# Altium PCB PCB_Core.PcbDoc (part 1 of 2) (continued)
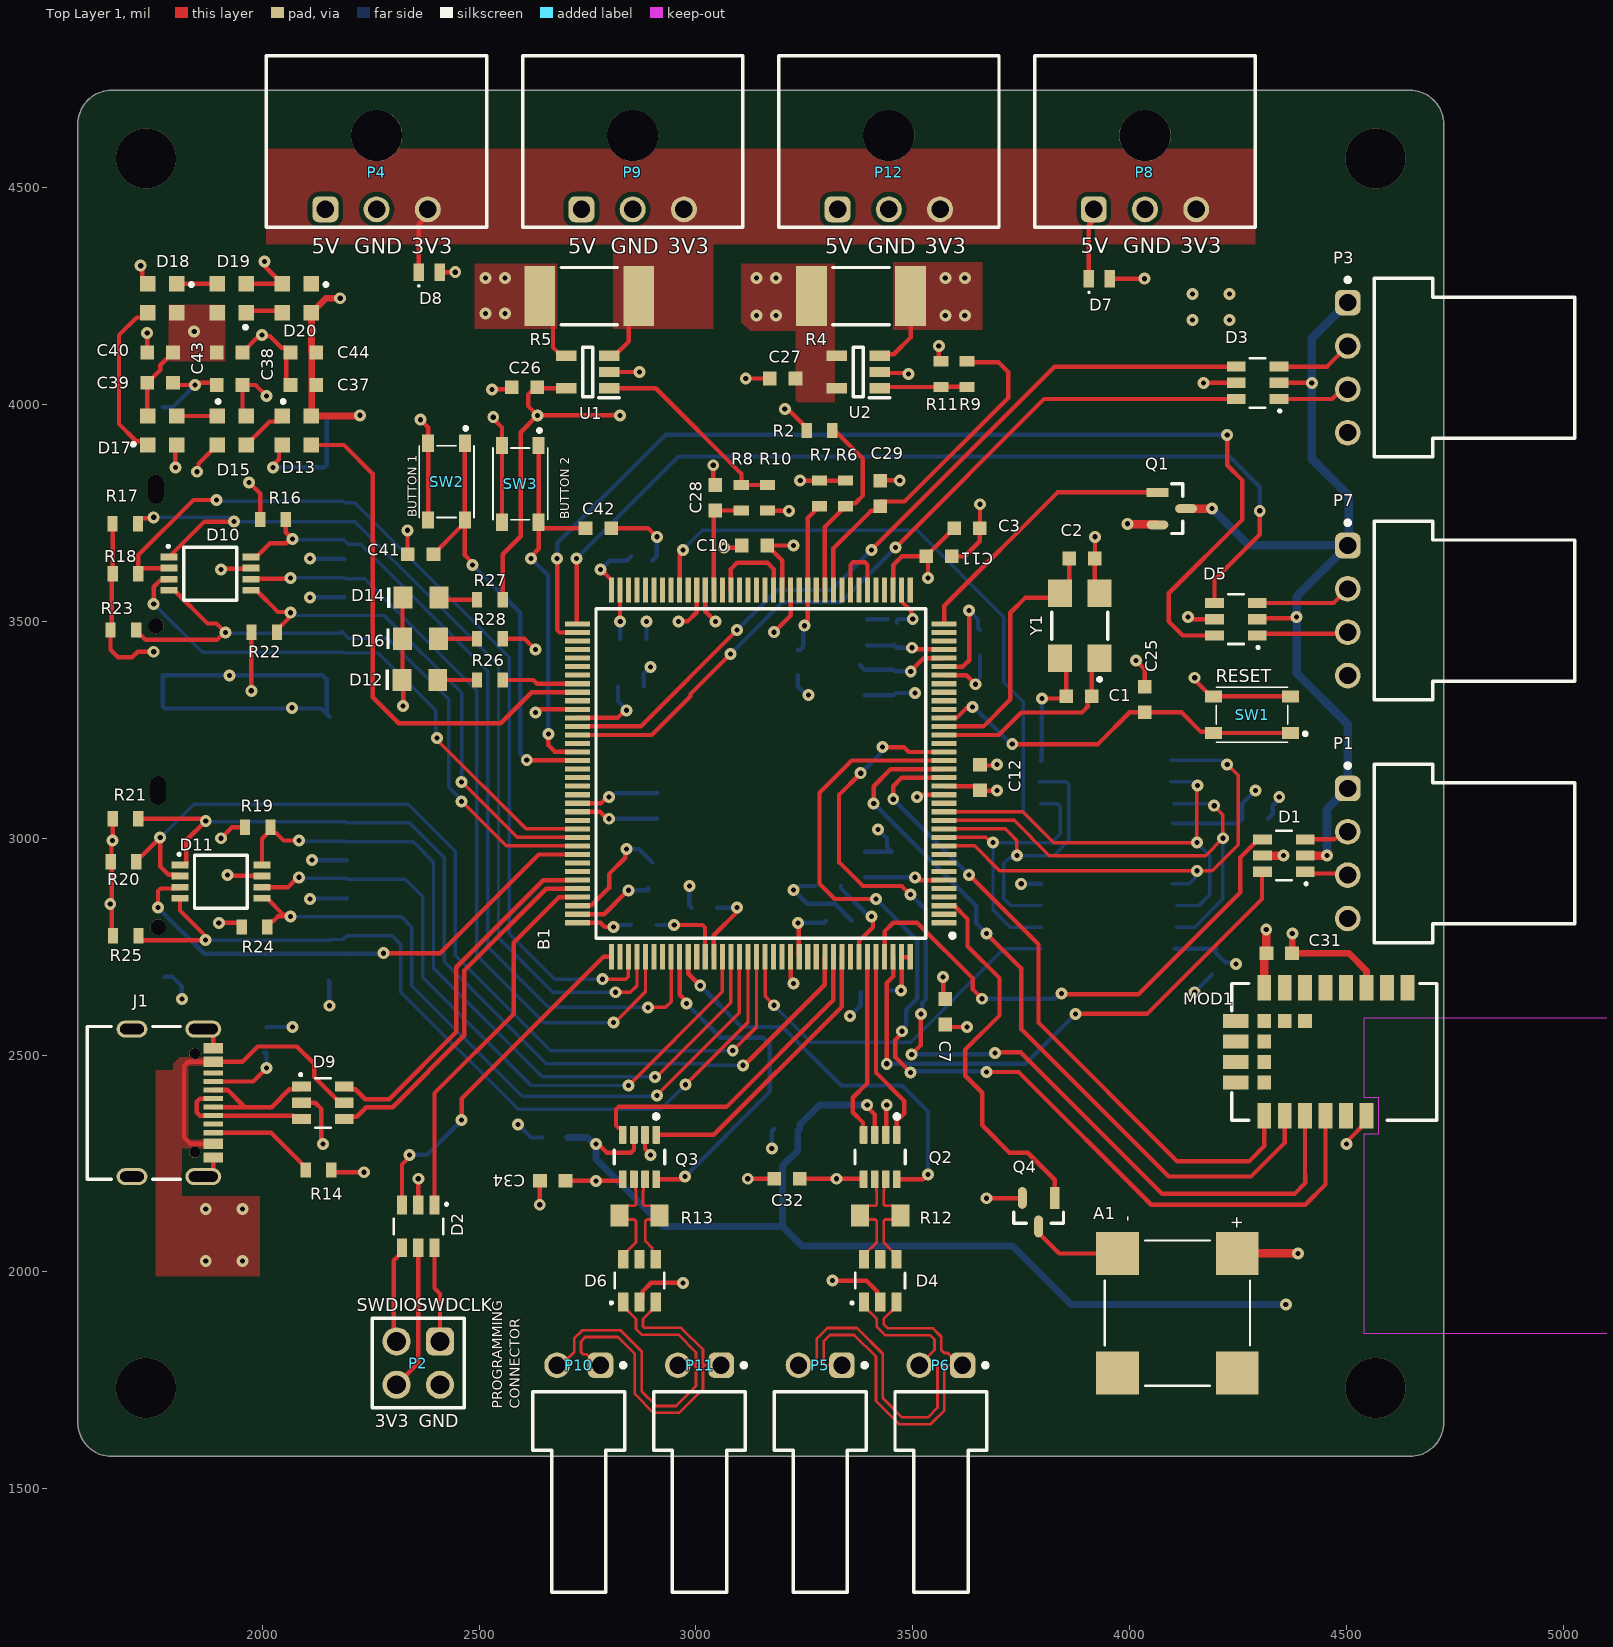
[diagram p0: Top Layer 1 view]
## Design rules (kind name [scope] priority, off if disabled: settings) (continued)
FabricationTestPointUsage [All] p1: isadvanced=TRUE valid=0 allowmultiple=FALSE
FabricationTestpoint [All] p1: isadvanced=TRUE side=3 testpointundercomponent=TRUE minsize=40 maxsize=100 preferedsize=60 minholesize=0 maxholesize=40 preferedholesize=32 testpointgrid=1 allowsidetop=TRUE allowsidebottom=TRUE usegrid=TRUE gridtolerance=0.01
FanoutControl Fanout_BGA [IsBGA] p1: isadvanced=TRUE bgadir=Out bgaviamode=Centered fanoutstyle=Auto fanoutdirection=Alternating viagrid=1 // Fanout_BGA (Default Rule)
FanoutControl Fanout_LCC [IsLCC] p2: isadvanced=TRUE bgadir=Out bgaviamode=Centered fanoutstyle=Auto fanoutdirection=Alternating viagrid=1 // Fanout_LCC (Default Rule)
FanoutControl Fanout_SOIC [IsSOIC] p3: isadvanced=TRUE bgadir=Out bgaviamode=Centered fanoutstyle=Auto fanoutdirection=Alternating viagrid=1 // Fanout_SOIC (Default Rule)
FanoutControl Fanout_Small [(CompPinCount < 5)] p4: isadvanced=TRUE bgadir=Out bgaviamode=Centered fanoutstyle=Auto fanoutdirection=OutThenIn viagrid=1 // Fanout_Small (Default Rule)
FanoutControl Fanout_Default [All] p5: isadvanced=TRUE bgadir=Out bgaviamode=Centered fanoutstyle=Auto fanoutdirection=Alternating viagrid=1 // Fanout_Default (Default Rule)
Height [All] p1: isadvanced=TRUE minheight=0 maxheight=1000 prefheight=500
HoleSize [All] p1: isadvanced=TRUE absolutevalues=TRUE maxlimit=157.48 minlimit=1 maxpercent=80.000 minpercent=20.000
HoleToHoleClearance [All] p1: isadvanced=TRUE gap=10 allowstackedmicrovias=TRUE
LayerPairs [All] p1: isadvanced=TRUE enforce=TRUE
MinimumSolderMaskSliver [All] p1: isadvanced=TRUE minsoldermaskwidth=10
NetAntennae [All] p1: isadvanced=TRUE netantennaetolerance=0
PasteMaskExpansion [All] p1: isadvanced=TRUE expansion=0
PlaneClearance [All] p1: isadvanced=TRUE clearance=20
PlaneConnect [All] p1: isadvanced=TRUE planeconnectstyle=Relief reliefexpansion=20 reliefentries=4 reliefconductorwidth=10 reliefairgap=10
PolygonConnect PolygonConnect_2 [All vs IsNamedPolygon('3V3_CURRENT-_L01_P002')] p1: isadvanced=TRUE thpad.connectstyle=Direct thpad.reliefconductorwidth=10 thpad.reliefentries=4 thpad.polygonreliefangle="90 Angle" thpad.airgapwidth=10 smdpad.connectstyle=Relief smdpad.reliefconductorwidth=10 smdpad.reliefentries=4 smdpad.polygonreliefangle="90 Angle" smdpad.airgapwidth=10 via.connectstyle=Relief via.reliefconductorwidth=10 via.reliefentries=4 via.polygonreliefangle="90 Angle" via.airgapwidth=10
PolygonConnect PolygonConnect_1 [All vs IsNamedPolygon('3V3_CURRENT-_L01_P002')] p2: isadvanced=TRUE connectstyle=Relief reliefconductorwidth=10 reliefentries=4 polygonreliefangle="90 Angle" airgapwidth=10
PolygonConnect [All] p3: connectstyle=Direct reliefconductorwidth=10 reliefentries=4 polygonreliefangle="90 Angle" airgapwidth=10
RoutingCorners [All] p1: isadvanced=TRUE cornerstyle=45-Degree minsetback=100 maxsetback=100
RoutingPriority [All] p1: isadvanced=TRUE routingpriority=0
RoutingVias RoutingViaStyle_2 [All] p1: isadvanced=TRUE holewidth=13.78 width=27.56 viastyle="Through Hole" minholewidth=11.81 minwidth=23.62 maxholewidth=15.75 maxwidth=118.11
RoutingVias "Schematic Routing Via Style" [All] p2: holewidth=28 width=50 viastyle="Through Hole" minholewidth=28 minwidth=50 maxholewidth=28 maxwidth=50
ShortCircuit [All] p1: isadvanced=TRUE allowed=FALSE
SilkToSilkClearance [All] p1: isadvanced=TRUE silktosilkclearance=10
SilkToSolderMaskClearance [IsPad] p1: isadvanced=TRUE minsilkscreentomaskgap=10 clearancetoexposedcopper=TRUE
SolderMaskExpansion [All] p1: isadvanced=TRUE expansion=4 istentingtop=FALSE
SupplyNets "Schematic Supply Nets_12" [InNet('3V3Connector')] p1: isadvanced=TRUE voltage=0.000
SupplyNets "Schematic Supply Nets_11" [InNet('VDD33USB')] p2: isadvanced=TRUE voltage=0.000
SupplyNets "Schematic Supply Nets_10" [InNet('3V3_Current-')] p3: isadvanced=TRUE voltage=0.000
SupplyNets "Schematic Supply Nets_9" [InNet('VBAT')] p4: isadvanced=TRUE voltage=0.000
SupplyNets "Schematic Supply Nets_8" [InNet('VCAP1')] p5: isadvanced=TRUE voltage=0.000
SupplyNets "Schematic Supply Nets_7" [InNet('5V_Current-')] p6: isadvanced=TRUE voltage=0.000
SupplyNets "Schematic Supply Nets_6" [InNet('VDDA')] p7: isadvanced=TRUE voltage=0.000
SupplyNets "Schematic Supply Nets_5" [InNet('5V_Current+')] p8: isadvanced=TRUE voltage=0.000
SupplyNets "Schematic Supply Nets_4" [InNet('GND')] p9: isadvanced=TRUE voltage=0.000
SupplyNets "Schematic Supply Nets_3" [InNet('3V3_Current+')] p10: isadvanced=TRUE voltage=0.000
SupplyNets "Schematic Supply Nets_2" [InNet('VREF+')] p11: isadvanced=TRUE voltage=0.000
SupplyNets "Schematic Supply Nets" [InNet('VCAP2')] p12: isadvanced=TRUE voltage=0.000
UnRoutedNet [All] p1: isadvanced=TRUE checkbadconnections=TRUE
UnpouredPolygon [All] p1: isadvanced=TRUE
Width MaxMinWidth_2 [All] p1: isadvanced=TRUE maxlimit=157.48 minlimit=5.91 preferedwidth=10 minimp=50.000000 maximp=50.000000 favimp=50.000000
Width MaxMinWidth_1 [All] p2: isadvanced=TRUE maxlimit=118.11 minlimit=5.91 preferedwidth=10 minimp=50.000000 maximp=50.000000 favimp=50.000000
Width MaxMinWidth_3 [All] p3: maxlimit=10 minlimit=10 preferedwidth=10
3 further rules are at their usual default settings.

## Classes and differential pairs
component class Storage: C35 C36 D10 D11 IC1 IC2 J2 J3 R16 R17 R18 R19 R20 R21 R22 R23 R24 R25
component class Sensing: C26 C27 C28 C29 R2 R3 R4 R5 R6 R7 R8 R9 R10 R11 U1 U2
component class MCU: B1 C1 C2 R1 Y1
component class MCU_PWR: C3 C4 C5 C6 C7 C8 C9 C10 C11 C12 C13 C14 C15 C16 C17 C18 C19 C20 C21 C22 C23 C24 C25 SW1
component class Connectors: D1 D2 D3 D4 D5 D6 D7 D8 P1 P2 P3 P4 P5 P6 P7 P8 P9 P10 P11 P12 Q1
component class Comms: C30 C31 C32 C33 C34 D9 J1 MOD1 Q2 Q3 R12 R13 R14 R15
component class Beacons: A1 C37 C38 C39 C40 C41 C42 C43 C44 D12 D13 D14 D15 D16 D17 D18 D19 D20 Q4 R26 R27 R28 SW2 SW3
differential pair D_USBC: +USBC_P -USBC_N
differential pair D_USB: +USB_P -USB_N
differential pair CAN1_Bis: +NetD4_3 -NetD4_1
differential pair CAN1: +CAN1_P -CAN1_N
differential pair CAN2: +CAN2_P -CAN2_N
differential pair CAN2_Bis: +NetD6_3 -NetD6_1

## Components (designator, comment, footprint, x,y, rotation, side; value= is the part's Value field where it differs from the comment)
A1 "CMT-8504-100-SMT-TR" CMT-8504-100-SMT-TR-Footprint-1 4110,1905 r270 top
B1 "STM32H723ZET6" QFP50P2200X2200X160-144N 3149.61,3149.61 r180 top locked
C1 "885012006034" WCAP-CSGP_0603_L1.6W0.8H0.8_Reflow 3883.01,3327.17 r180 top value=22pF
C2 "885012006034" WCAP-CSGP_0603_L1.6W0.8H0.8_Reflow 3890,3645 r0 top value=22pF
C3 "885012106012" WCAP-CSGP_0603_L1.6W0.8H0.8_Reflow 3625,3715 r0 top value=4.7µF
C4 "885012206071" WCAP-CSGP_0603_L1.6W0.8H0.8_Reflow 3330,2810 r0 bottom value=100nF
C5 "885012206071" WCAP-CSGP_0603_L1.6W0.8H0.8_Reflow 3020,2840 r180 bottom value=100nF
C6 "885012206071" WCAP-CSGP_0603_L1.6W0.8H0.8_Reflow 3409.53,2645 r180 bottom value=100nF
C7 "885012206071" WCAP-CSGP_0603_L1.6W0.8H0.8_Reflow 3575,2600 r270 top value=100nF
C8 "885012206071" WCAP-CSGP_0603_L1.6W0.8H0.8_Reflow 3655,3450 r90 bottom value=100nF
C9 "885012206071" WCAP-CSGP_0603_L1.6W0.8H0.8_Reflow 2850,3350 r0 bottom value=100nF
C10 "885012206071" WCAP-CSGP_0603_L1.6W0.8H0.8_Reflow 3135,3675 r180 top value=100nF
C11 "885012206071" WCAP-CSGP_0603_L1.6W0.8H0.8_Reflow 3560.47,3650 r0 top value=100nF
C12 "885012206071" WCAP-CSGP_0603_L1.6W0.8H0.8_Reflow 3655,3140 r90 top value=100nF
C13 "885012206071" WCAP-CSGP_0603_L1.6W0.8H0.8_Reflow 2880,2800 r0 bottom value=100nF
C14 "885012206071" WCAP-CSGP_0603_L1.6W0.8H0.8_Reflow 2870,3640 r0 bottom value=100nF
C15 "885012206052" WCAP-CSGP_0603_L1.6W0.8H0.8_Reflow 3389.92,3358.7 r270 bottom value=1µF
C16 "885012206071" WCAP-CSGP_0603_L1.6W0.8H0.8_Reflow 3454.89,3359.22 r270 bottom value=100nF
C17 "885012206052" WCAP-CSGP_0603_L1.6W0.8H0.8_Reflow 3395,3475 r90 bottom value=1µF
C18 "885012206071" WCAP-CSGP_0603_L1.6W0.8H0.8_Reflow 3456.18,3475.52 r90 bottom value=100nF
C19 "885012106018" WCAP-CSGP_0603_L1.6W0.8H0.8_Reflow 2855.47,3460 r180 bottom value=2.2µF
C20 "885012106018" WCAP-CSGP_0603_L1.6W0.8H0.8_Reflow 2900,2914.53 r90 bottom value=2.2µF
C21 "885012206052" WCAP-CSGP_0603_L1.6W0.8H0.8_Reflow 2850,3074.53 r90 bottom value=1µF
C22 "885012206071" WCAP-CSGP_0603_L1.6W0.8H0.8_Reflow 2911.18,3075.25 r90 bottom value=100nF
C23 "885012206052" WCAP-CSGP_0603_L1.6W0.8H0.8_Reflow 3451.18,2939.53 r90 bottom value=1µF
C24 "885012206071" WCAP-CSGP_0603_L1.6W0.8H0.8_Reflow 3390,2939.53 r90 bottom value=100nF
C25 "885012206071" WCAP-CSGP_0603_L1.6W0.8H0.8_Reflow 4035,3320 r270 top value=100nF
C26 "885012206071" WCAP-CSGP_0603_L1.6W0.8H0.8_Reflow 2605,4040 r0 top value=100nF
C27 "885012206071" WCAP-CSGP_0603_L1.6W0.8H0.8_Reflow 3200,4060 r0 top value=100nF
C28 "885012206062" WCAP-CSGP_0603_L1.6W0.8H0.8_Reflow 3045,3785 r270 top value=3.3nF
C29 "885012206062" WCAP-CSGP_0603_L1.6W0.8H0.8_Reflow 3425,3795 r270 top value=3.3nF
C30 "885012206071" WCAP-CSGP_0603_L1.6W0.8H0.8_Reflow 3210,2330 r180 bottom value=100nF
C31 "885012106012" WCAP-CSGP_0603_L1.6W0.8H0.8_Reflow 4345,2735 r0 top value=4.7µF
C32 "885012206071" WCAP-CSGP_0603_L1.6W0.8H0.8_Reflow 3210,2215 r180 top value=100nF
C33 "885012206071" WCAP-CSGP_0603_L1.6W0.8H0.8_Reflow 2675,2310 r180 bottom value=100nF
C34 "885012206071" WCAP-CSGP_0603_L1.6W0.8H0.8_Reflow 2670,2210 r180 top value=100nF
C35 "885012206071" WCAP-CSGP_0603_L1.6W0.8H0.8_Reflow 4190,2715 r90 bottom value=100nF
C36 "885012206071" WCAP-CSGP_0603_L1.6W0.8H0.8_Reflow 4289.53,3045 r180 bottom value=100nF
C37 "885012206071" WCAP-CSGP_0603_L1.6W0.8H0.8_Reflow 2095,4045 r0 top value=100nF
C38 "885012206071" WCAP-CSGP_0603_L1.6W0.8H0.8_Reflow 1925,4045 r0 top value=100nF
C39 "885012206071" WCAP-CSGP_0603_L1.6W0.8H0.8_Reflow 1765,4050 r180 top value=100nF
C40 "885012206071" WCAP-CSGP_0603_L1.6W0.8H0.8_Reflow 1765,4120 r0 top value=100nF
C41 "885012206071" WCAP-CSGP_0603_L1.6W0.8H0.8_Reflow 2365.47,3655 r0 top value=100nF
C42 "885012206071" WCAP-CSGP_0603_L1.6W0.8H0.8_Reflow 2775,3715 r180 top value=100nF
C43 "885012206071" WCAP-CSGP_0603_L1.6W0.8H0.8_Reflow 1925,4120 r180 top value=100nF
C44 "885012206071" WCAP-CSGP_0603_L1.6W0.8H0.8_Reflow 2095,4120 r0 top value=100nF
D1 "82400102" WE-TVS_SOT23-6L 4355.79,2960 r90 top
D2 "82400102" WE-TVS_SOT23-6L 2360,2105 r180 top
D3 "82400102" WE-TVS_SOT23-6L 4295,4050 r90 top
D4 "82400102" WE-TVS_SOT23-6L 3425,1980 r0 top
D5 "82400102" WE-TVS_SOT23-6L 4245,3505 r90 top
D6 "82400102" WE-TVS_SOT23-6L 2870,1980 r0 top
D7 "824032815" WE-TVS_DFN1610-2L 3930,4290 r0 top
D8 "824032813" WE-TVS_DFN1610-2L 2385,4305 r0 top
D9 "82400102" WE-TVS_SOT23-6L 2140,2390 r270 top
D10 "82401646" WE-TVS_MSOP-8L 1880,3610 r270 top
D11 "82401646" WE-TVS_MSOP-8L 1905,2900 r270 top
D12 "150080YS75000" WL-SMCW_0805_150080xx75000 2363.66,3365 r0 top
D13 "1312020030000" 1312020030000 2080,3940 r270 top
D14 "150080GS75000" WL-SMCW_0805_150080xx75000 2366.34,3555 r0 top
D15 "1312020030000" 1312020030000 1930,3940 r270 top
D16 "150080GS75000" WL-SMCW_0805_150080xx75000 2365,3460 r0 top
D17 "1312020030000" 1312020030000 1770,3940 r0 top
D18 "1312020030000" 1312020030000 1770,4245 r180 top
D19 "1312020030000" 1312020030000 1930,4245 r90 top
D20 "1312020030000" 1312020030000 2080,4245 r180 top
IC1 "W25N01GVZEIT" SON127P800X600X80-9N-D 3950.08,2820 r0 bottom
IC2 "W25N01GVZEIT" SON127P800X600X80-9N-D 3948.54,3105 r0 bottom
J1 "629722000214" 629722000214 1745,2390 r270 top
J2 "693071020811" 693071020811 1884.92,3684.88 r90 bottom locked
J3 "693071020811" 693071020811 1890,2990 r90 bottom locked
MOD1 "WIRL-PRO2_2611011021000" WE-FP-4+ 4471.42,2507.64 r180 top
P1 "61900419521" 61900419521 4795,2965 r90 top
P2 "61300421121" 61300421121 2360,1790 r180 top
P3 "61900419521" 61900419521 4795,4085 r90 top
P4 "66200311022" 66200311022 2263.78,4606.3 r180 top
P5 "61900219521" 61900219521 3286.67,1492.87 r0 top
P6 "61900219521" 61900219521 3565,1492.87 r0 top
P7 "61900419521" 61900419521 4795,3525 r90 top
P8 "66200311022" 66200311022 4035.43,4606.3 r180 top
P9 "66200311022" 66200311022 2854.33,4606.3 r180 top
P10 "61900219521" 61900219521 2730,1492.87 r0 top
P11 "61900219521" 61900219521 3008.33,1492.87 r0 top
P12 "66200311022" 66200311022 3444.88,4606.3 r180 top
Q1 "IRLML6244TRPBF" FP-Micro3-IPC_C 4097.12,3760 r0 top
Q2 "TCAN1044AVDDFRQ1" FP-DDF0008A-MFG 3425,2265 r270 top
Q3 "TCAN1044AVDDFRQ1" FP-DDF0008A-MFG 2870,2265 r270 top
Q4 "IRLML6244TRPBF" FP-Micro3-IPC_C 3790,2137.88 r270 top
R1 "560112116005" WRIS-RSKS_0603_Reflow 3305,2890 r180 bottom value=10k
R2 "560112116005" WRIS-RSKS_0603_Reflow 3285,3940 r180 top value=10k
R3 "560112116005" WRIS-RSKS_0603_Reflow 3235,3405 r270 bottom value=10k
R4 "10m" 580070763010-Footprint-1 3228.7,4177.8 r0 top
R5 "10m" 580070763010-Footprint-1 2602.05,4177.8 r0 top
R6 "560112116035" WRIS-RSKS_0603_Reflow 3345,3795 r270 top value=15k
R7 "560112116004" WRIS-RSKS_0603_Reflow 3285,3795 r270 top value=100k
R8 "560112116067" WRIS-RSKS_0603_Reflow 3105,3785 r270 top value=470
R9 "560112116067" WRIS-RSKS_0603_Reflow 3625,4070 r90 top value=470
R10 "560112116019" WRIS-RSKS_0603_Reflow 3165,3785 r90 top value=470K
R11 "560112116019" WRIS-RSKS_0603_Reflow 3565,4070 r270 top value=470K
R12 "RCS0805120RFKEA" RCS0805120RFKEA-Footprint-1 3425,2130 r0 top value=120
R13 "RCS0805120RFKEA" RCS0805120RFKEA-Footprint-1 2870,2130 r0 top value=120
R14 "560112116006" WRIS-RSKS_0603_Reflow 2130,2235 r0 top value=4.7k
R15 "560112116006" WRIS-RSKS_0603_Reflow 2010,2535 r90 bottom value=4.7k
R16 "560112116025" WRIS-RSKS_0603_Reflow 2025,3735 r0 top value=47k
R17 "560112116025" WRIS-RSKS_0603_Reflow 1684.53,3725 r0 top value=47k
R18 "560112116025" WRIS-RSKS_0603_Reflow 1685,3610 r0 top value=47k
R19 "560112116025" WRIS-RSKS_0603_Reflow 1990,3025 r0 top value=47k
R20 "560112116025" WRIS-RSKS_0603_Reflow 1680.24,2946.18 r0 top value=47k
R21 "560112116025" WRIS-RSKS_0603_Reflow 1685,3045 r0 top value=47k
R22 "560112116025" WRIS-RSKS_0603_Reflow 2005,3475 r0 top value=47k
R23 "560112116025" WRIS-RSKS_0603_Reflow 1680,3480 r0 top value=47k
R24 "560112116025" WRIS-RSKS_0603_Reflow 1982.29,2795.51 r0 top value=47k
R25 "560112116025" WRIS-RSKS_0603_Reflow 1685.47,2775 r0 top value=47k
R26 "560112116038" WRIS-RSKS_0603_Reflow 2525,3365 r180 top value=1.5k
R27 "560112116014" WRIS-RSKS_0603_Reflow 2525,3550 r180 top value=1k
R28 "560112116067" WRIS-RSKS_0603_Reflow 2525,3460 r0 top value=470
SW1 "PTS815SJM250SMTRLFS" PTS815SJM250SMTRLFS-Footprint-1 4280,3285 r180 top
SW2 "PTS815SJM250SMTRLFS" PTS815SJM250SMTRLFS-Footprint-1 2425,3820 r270 top
SW3 "PTS815SJM250SMTRLFS" PTS815SJM250SMTRLFS-Footprint-1 2595,3815 r270 top
U1 "INA138" INA138-Footprint-1 2765.79,3965 r180 top
U2 "INA138" INA138-Footprint-1 3389.21,3965 r180 top
Y1 "830056583" WE-XTAL_CFPX-104 3885,3490 r90 top

## Footprints (in the part's own frame and the unit in brackets; to place one, negate y for a bottom-side part, rotate by r counter-clockwise, add the part's x,y. Pads: shape width x height; smd on the part's side, far side on the other; paste and mask are expansions set on the pad)
61300421121 [mm] "Pin Header, pitch 2.54 mm, THT, Vertical, dual row, 4p"
  rrect50% 1.65x1.65 hole 1.1: 1(-1.27,-1.27)
  round 1.65 hole 1.1: 2(-1.27,1.27) 3(1.27,-1.27) 4(1.27,1.27)
  silkscreen extent -2.69,-2.62 2.69,2.62, body extent -2.54,-2.54 2.54,2.54, height 8.59
61900219521 [mm] "2.54mm Male Right Angled Locking Header Top Locking, 2p"
  rrect50% 1.5x1.5 hole 1: 1(1.27,7.42)
  round 1.5 hole 1: 2(-1.27,7.42)
  silkscreen extent -2.69,-5.87 2.72,7.54, body extent -2.54,-5.75 2.54,7.77, height 5.83
61900419521 [mm] "2.54mm Male Right Angled Locking Header Top Locking, 4p"
  rrect50% 1.5x1.5 hole 1: 1(3.81,7.42)
  round 1.5 hole 1: 2(1.27,7.42) 3(-1.27,7.42) 4(-3.81,7.42)
  silkscreen extent -5.23,-5.87 5.26,7.54, body extent -5.08,-5.75 5.08,7.77, height 5.83
66200311022 [mm] "3.00mm Male Single Row Angled Header with Plastic Pegs, 3p"
  rrect50% 1.52x1.52 hole 1.02: 1(3,3.97)
  round 1.52 hole 1.02: 2(0,3.97) 3(-3,3.97)
  round 3 hole 3 unplated: MH1(0,-0.35)
  silkscreen extent -6.45,-5.02 6.45,5.02, body extent -6.32,-4.95 6.32,4.95, height 5.6
580070763010-Footprint-1 [mm]
  rect 1.8x3.5 smd: 1(0.964,1.834) 2(6.764,1.834)
  silkscreen extent 2.21,0.16 5.51,3.51, body extent 0.71,0.28 7.01,3.38, height 0.35
629722000214 [mm] "USB TYPE C VERTICAL PLUG"
  rect 0.6x1.14 smd: A1/B12(-3.2,3.605) A4/B9(-2.4,3.605) A9/B4(2.4,3.605) A12/B1(3.2,3.605)
  rect 0.3x1.14 smd: A5(-1.25,3.605) A6(-0.25,3.605) A7(0.25,3.605) A8(1.25,3.605) B5(1.75,3.605) B6(0.75,3.605) B7(-0.75,3.605) B8(-1.75,3.605)
  round 0.65 hole 0.65 unplated: MH1(-2.89,2.535) MH2(2.89,2.535)
  oval 1x2.1 hole 0.6 slot 1.7 at 90 deg: Shell(-4.32,3.035) Shell(4.32,3.035)
  oval 1x1.8 hole 0.6 slot 1.4 at 90 deg: Shell(-4.32,-1.145) Shell(4.32,-1.145)
  silkscreen extent -4.47,-3.76 4.47,1.7, body extent -4.79,-3.76 4.79,3.95, height 3.33
693071020811 [mm] "Micro SD Card Connector Push & Push - with Card Detection - 8 Pins"
  rect 0.7x1.9 smd: 1(2.25,7.75) 2(1.15,7.75) 3(0.05,7.75) 4(-1.05,7.75) 5(-2.15,7.75) 6(-3.25,7.75) 7(-4.35,7.75) 8(-5.45,7.75) 9(-6.55,7.75)
  rect 1.7x1.8 smd: 10(-8.1,6.7) 11(7.4,6.7)
  rect 1.4x2.6 smd: 12(-7.85,-2.9) 13(7.85,-2.9)
  round 0.9 hole 0.9 unplated: MH1(-4.95,-3.3)
  oval 1.7x0.9 hole 0.9 slot 1.7 at 0 deg unplated: MH2(3.05,-3.3)
  silkscreen extent -7.35,-7.25 7.35,7.25, body extent -8.2,-7.3 8.2,7.73, height 1.85
1312020030000 [mm] "Chip LED Compact IC RGB"
  rect 0.9x0.9 smd: 1(-0.85,-0.85) 2(-0.85,0.85) 3(0.85,0.85) 4(0.85,-0.85)
  silkscreen extent -1.8,-0.9 -1.6,-0.7, body extent -1,-1 1,1, height 0.9
CMT-8504-100-SMT-TR-Footprint-1 [mm]
  rect 2.5x2.5 smd: 1(3.5,3.5) 2(3.5,-3.5) N(-3.5,-3.5) P(-3.5,3.5)
  silkscreen extent -4.25,-4.25 4.25,4.25, body extent -4.25,-4.28 4.28,4.25, height 4
FP-DDF0008A-MFG [mm]
  rrect22% 1.05x0.45 smd paste+0 mask+0: 1(-1.3,0.975) 2(-1.3,0.325) 3(-1.3,-0.325) 4(-1.3,-0.975) 5(1.3,-0.975) 6(1.3,-0.325) 7(1.3,0.325) 8(1.3,0.975)
  silkscreen extent -2.5,-1.48 0.4,1.48, body extent -1.92,-1.73 1.92,1.73, height 0.25
FP-Micro3-IPC_C [mm]
  rect 1.274x0.532 smd paste+0 mask+0: 1(-0.835,0.95)
  rrect100% 1.274x0.532 smd paste+0 mask+0: 2(-0.835,-0.95) 3(0.835,0)
  silkscreen extent 0,-1.46 0.65,1.46, body extent -1.57,-1.56 1.57,1.56, height 0.25
INA138-Footprint-1 [mm]
  rect 1.2x0.6 smd: 1(-0.869,-1.844) 2(-0.869,-2.794) 3(-0.869,-3.744) 4(1.631,-3.744) 5(1.631,-1.844)
  silkscreen extent -1.47,-4.24 0.68,-1.29, body extent -1.02,-4.24 1.78,-1.34, height 1.2
PTS815SJM250SMTRLFS-Footprint-1 [mm]
  rect 1x0.7 smd: 1(-2.305,1.079) 1(2.195,1.079) 2(-2.305,-1.071) 2(2.195,-1.071)
  silkscreen extent -3.27,-1.6 2.05,1.61, body extent -2.35,-1.6 2.25,1.6, height 2.6
QFP50P2200X2200X160-144N [mm]
  rect 1.475x0.3 smd: 1(-10.738,8.75) 2(-10.738,8.25) 3(-10.738,7.75) 4(-10.738,7.25) 5(-10.738,6.75) 6(-10.738,6.25) 7(-10.738,5.75) 8(-10.738,5.25) 9(-10.738,4.75) 10(-10.738,4.25) 11(-10.738,3.75) 12(-10.738,3.25) 13(-10.738,2.75) 14(-10.738,2.25) 15(-10.738,1.75) 16(-10.738,1.25) 17(-10.738,0.75) 18(-10.738,0.25) 19(-10.738,-0.25) 20(-10.738,-0.75) 21(-10.738,-1.25) 22(-10.738,-1.75) 23(-10.738,-2.25) 24(-10.738,-2.75) 25(-10.738,-3.25) 26(-10.738,-3.75) 27(-10.738,-4.25) 28(-10.738,-4.75) 29(-10.738,-5.25) 30(-10.738,-5.75) 31(-10.738,-6.25) 32(-10.738,-6.75) 33(-10.738,-7.25) 34(-10.738,-7.75) 35(-10.738,-8.25) 36(-10.738,-8.75) 73(10.738,-8.75) 74(10.738,-8.25) 75(10.738,-7.75) 76(10.738,-7.25) 77(10.738,-6.75) 78(10.738,-6.25) 79(10.738,-5.75) 80(10.738,-5.25) 81(10.738,-4.75) 82(10.738,-4.25) 83(10.738,-3.75) 84(10.738,-3.25) 85(10.738,-2.75) 86(10.738,-2.25) 87(10.738,-1.75) 88(10.738,-1.25) 89(10.738,-0.75) 90(10.738,-0.25) 91(10.738,0.25) 92(10.738,0.75) 93(10.738,1.25) 94(10.738,1.75) 95(10.738,2.25) 96(10.738,2.75) 97(10.738,3.25) 98(10.738,3.75) 99(10.738,4.25) 100(10.738,4.75) 101(10.738,5.25) 102(10.738,5.75) 103(10.738,6.25) 104(10.738,6.75) 105(10.738,7.25) 106(10.738,7.75) 107(10.738,8.25) 108(10.738,8.75)
  rect 0.3x1.475 smd: 37(-8.75,-10.738) 38(-8.25,-10.738) 39(-7.75,-10.738) 40(-7.25,-10.738) 41(-6.75,-10.738) 42(-6.25,-10.738) 43(-5.75,-10.738) 44(-5.25,-10.738) 45(-4.75,-10.738) 46(-4.25,-10.738) 47(-3.75,-10.738) 48(-3.25,-10.738) 49(-2.75,-10.738) 50(-2.25,-10.738) 51(-1.75,-10.738) 52(-1.25,-10.738) 53(-0.75,-10.738) 54(-0.25,-10.738) 55(0.25,-10.738) 56(0.75,-10.738) 57(1.25,-10.738) 58(1.75,-10.738) 59(2.25,-10.738) 60(2.75,-10.738) 61(3.25,-10.738) 62(3.75,-10.738) 63(4.25,-10.738) 64(4.75,-10.738) 65(5.25,-10.738) 66(5.75,-10.738) 67(6.25,-10.738) 68(6.75,-10.738) 69(7.25,-10.738) 70(7.75,-10.738) 71(8.25,-10.738) 72(8.75,-10.738) 109(8.75,10.738) 110(8.25,10.738) 111(7.75,10.738) 112(7.25,10.738) 113(6.75,10.738) 114(6.25,10.738) 115(5.75,10.738) 116(5.25,10.738) 117(4.75,10.738) 118(4.25,10.738) 119(3.75,10.738) 120(3.25,10.738) 121(2.75,10.738) 122(2.25,10.738) 123(1.75,10.738) 124(1.25,10.738) 125(0.75,10.738) 126(0.25,10.738) 127(-0.25,10.738) 128(-0.75,10.738) 129(-1.25,10.738) 130(-1.75,10.738) 131(-2.25,10.738) 132(-2.75,10.738) 133(-3.25,10.738) 134(-3.75,10.738) 135(-4.25,10.738) 136(-4.75,10.738) 137(-5.25,10.738) 138(-5.75,10.738) 139(-6.25,10.738) 140(-6.75,10.738) 141(-7.25,10.738) 142(-7.75,10.738) 143(-8.25,10.738) 144(-8.75,10.738)
  silkscreen extent -11.35,-9.65 9.65,9.65, body extent -10.95,-10.95 10.95,10.95, height 1.6
RCS0805120RFKEA-Footprint-1 [mm]
  rect 1.05x1.3 smd: 1(-1.175,0) 2(1.175,0)
  body extent -1,-0.63 1,0.63, height 0.53
SON127P800X600X80-9N-D [mm]
  rect 0.95x0.45 smd: 1(-3.9,1.905) 2(-3.9,0.635) 3(-3.9,-0.635) 4(-3.9,-1.905) 5(3.9,-1.905) 6(3.9,-0.635) 7(3.9,0.635) 8(3.9,1.905)
  rect 3.45x4.35 smd: 9(0,0)
  silkscreen extent -4.5,2.51 -4.25,2.75, body extent -4,-3 4,3, height 0.8
WCAP-CSGP_0603_L1.6W0.8H0.8_Reflow [mm] "Ceramic Capacitors, body 1.6x0.8mm"
  rect 0.8x0.8 smd: 1(-0.75,0) 2(0.75,0)
  body extent -0.8,-0.4 0.8,0.4, height 0.8
WE-FP-4+ [mm]
  rect 0.8x1.5 smd mask+0.05: 1(-4.3,-3.75) 2(-3.1,-3.75) 3(-1.9,-3.75) 4(-0.7,-3.75) 5(0.5,-3.75) 6(1.7,-3.75) 7(2.9,-3.75) 8(4.1,-3.75) 13(4.1,3.75) 14(2.9,3.75) 15(1.7,3.75) 16(0.5,3.75) 17(-0.7,3.75) 18(-1.9,3.75)
  rect 1.5x0.8 smd mask+0.05: 9(5.75,-1.8) 10(5.75,-0.6) 11(5.75,0.6) 12(5.75,1.8)
  rect 0.8x0.8 smd mask+0.05: B1(1.7,-1.8) B2(2.9,-1.8) B3(4.1,-1.8) B4(4.1,-0.6) B5(4.1,0.6) B6(4.1,1.8)
  Top Layer 1 pour cut-out: 6,4 6,-4 -6,-4 -6,4
  Keep-Out Layer region: -18.5,16.5 -1.77,16.5 -1.77,4.8 -2.6,4.8 -2.6,2.7 -1.77,2.7 -1.77,-2 -18.5,-2
  silkscreen extent -6,-4 6,4, body extent -6,-4 6,4, height 2
WE-TVS_DFN1610-2L [mm] "TVS Diode, package DFN1610-2L"
  rect 0.625x1 smd: 1(-0.613,0) 2(0.613,0)
  silkscreen extent -0.65,-0.85 -0.55,-0.75, body extent -0.8,-0.5 0.8,0.5, height 0.51
WE-TVS_MSOP-8L [mm] "TVS Diode, package MSOP-8L"
  rect 0.4x1 smd: 1(-0.975,-2.4) 2(-0.325,-2.4) 3(0.325,-2.4) 4(0.975,-2.4) 5(0.975,2.4) 6(0.325,2.4) 7(-0.325,2.4) 8(-0.975,2.4)
  silkscreen extent -1.67,-2.52 1.55,1.55, body extent -1.5,-2.45 1.5,2.45, height 0.97
WE-TVS_SOT23-6L [mm] "TVS Diode, package SOT23-6L"
  rect 0.6x1.1 smd: 1(-0.95,-1.25) 2(0,-1.25) 3(0.95,-1.25) 4(0.95,1.25) 5(0,1.25) 6(-0.95,1.25)
  silkscreen extent -1.72,-1.38 1.45,0.45, body extent -1.45,-1.4 1.45,1.4, height 1.16
WE-XTAL_CFPX-104 [mm] "Quartz Crystal, size CFPX-104, body 5x3.2mm"
  rect 1.6x1.4 smd: 1(-1.9,-1.15) 2(1.9,-1.15) 3(1.9,1.15) 4(-1.9,1.15)
  silkscreen extent -3.24,-1.65 0.8,1.65, body extent -2.5,-1.6 2.5,1.6, height 0.95